# KiCad board LTC6811_ESP32_V2.kicad_pcb
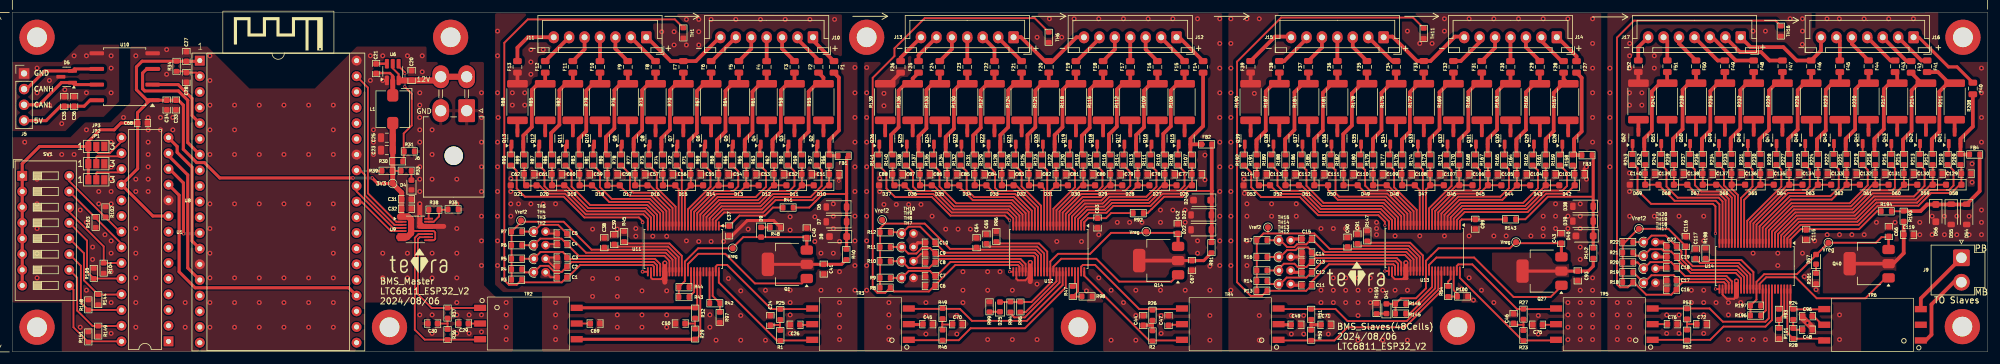
[diagram p0: board, top side]
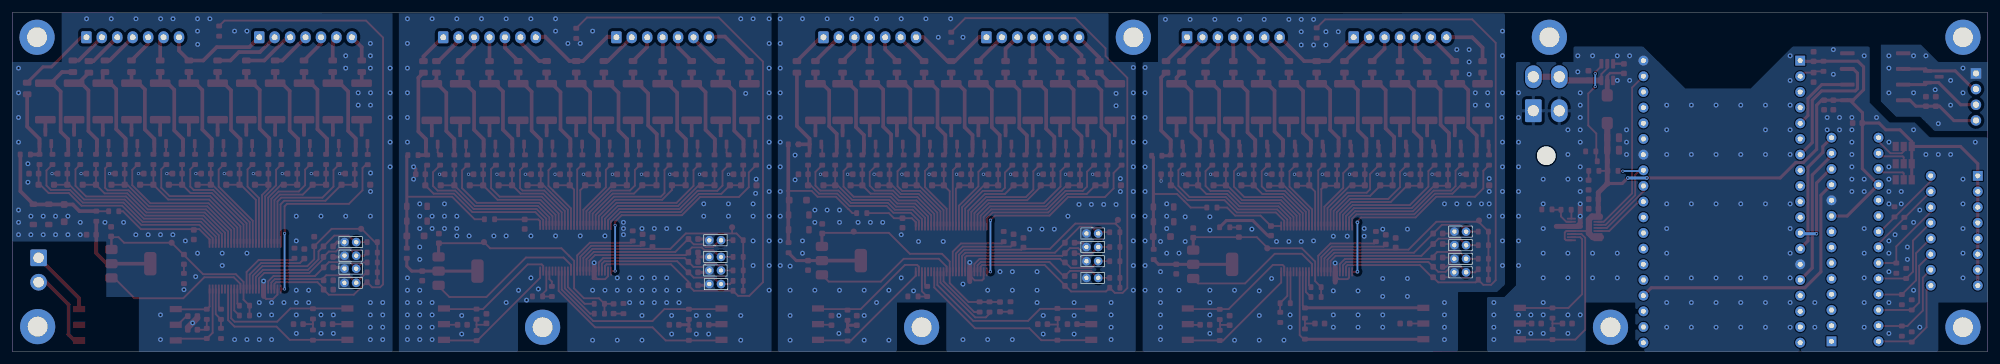
[diagram p1: board, bottom side, seen from below]

Outline 320 x 55 mm; copper layers: Top, Bottom. Coordinates in mm from the lower left corner of the outline.
Outline path: rectangle 0,55 320,0
Stack: Top 0.035mm / dielectric 1.51mm FR4 er 4.5 / Bottom 0.035mm

## Placement (name value [footprint] x y rotation side)
C1  100nF/100V  [C_0603_1608Metric]  89.05 12.06 180 top
C2  100nF 100V  [C_0603_1608Metric]  89.05 13.76 180 top
C3  100nF 100V  [C_0603_1608Metric]  89.05 15.26 180 top
C4  100nF 100V  [C_0603_1608Metric]  89.05 17.45 180 top
C5  100nF 100V  [C_0603_1608Metric]  89.05 19.15 180 top
C6  100nF/100V  [C_0603_1608Metric]  148.7 10.66 180 top
C7  100nF 100V  [C_0603_1608Metric]  148.7 12.26 180 top
C8  100nF 100V  [C_0603_1608Metric]  148.7 14.46 180 top
C9  100nF 100V  [C_0603_1608Metric]  148.71 15.96 180 top
C10  100nF 100V  [C_0603_1608Metric]  148.7 17.66 180 top
C11  100nF/100V  [C_0603_1608Metric]  209.7 10.76 180 top
C12  100nF 100V  [C_0603_1608Metric]  209.7 12.86 180 top
C13  100nF 100V  [C_0603_1608Metric]  209.7 14.56 180 top
C14  100nF 100V  [C_0603_1608Metric]  209.7 16.07 180 top
C15  100nF 100V  [C_0603_1608Metric]  209.7 18.26 180 top
C16  100nF/100V  [C_0603_1608Metric]  268.8 10.06 180 top
C17  100nF 100V  [C_0603_1608Metric]  268.8 11.56 180 top
C18  100nF 100V  [C_0603_1608Metric]  268.8 13.66 180 top
C19  100nF 100V  [C_0603_1608Metric]  268.82 15.36 180 top
C20  2.2uF/25V  [C_0603_1608Metric]  64.67 44.76 90 top
C21  100nF/100V  [C_0603_1608Metric]  58.92 45.87 90 top
C22  100nF 100V  [C_0603_1608Metric]  268.82 17.06 180 top
C23  10uF/16V  [C_0805_2012Metric]  60.67 32.66 180 top
C24  10nF/100V  [C_0603_1608Metric]  122.8 5.06 90 top
C25  10uF/16V  [C_0805_2012Metric]  60.67 34.68 180 top
C26  10nF/100V  [C_0603_1608Metric]  126.8 4.36 180 top
C27  100nF/100V  [C_0603_1608Metric]  28.2 47.83 270 top
C28  100nF/100V  [C_0603_1608Metric]  28.2 44.46 90 top
C29  10nF/100V  [C_0603_1608Metric]  73.1 4.56 180 top
C30  10nF/100V  [C_0603_1608Metric]  68.1 4.56 0 top
C31  1uF/25V  [C_0603_1608Metric]  63.85 24.71 180 top
C32  100nF/100V  [C_0603_1608Metric]  63.85 23.16 0 top
C33  1uF/25V  [C_0603_1608Metric]  26.5 39.98 270 top
C34  100nF/100V  [C_0603_1608Metric]  25 39.98 270 top
C35  1uF/25V  [C_0603_1608Metric]  8.4 40.56 90 top
C36  100nF/100V  [C_0603_1608Metric]  10 40.56 270 top
C37  100nF/100V  [C_0603_1608Metric]  116.1 19.58 270 top
C38  1uF/25V  [C_0603_1608Metric]  95.9 17.66 90 top
C39  1uF/25V  [C_0603_1608Metric]  97.5 18.16 90 top
C40  4.7uF/16V  [C_0603_1608Metric]  128.7 19.26 90 top
C41  100nF/100V  [C_0603_1608Metric]  131.45 13.38 270 top
C42  4.7uF/16V  [C_0603_1608Metric]  188.8 19.93 90 top
C43  4.7uF/16V  [C_0603_1608Metric]  250.9 18.36 90 top
C44  10nF/100V  [C_0603_1608Metric]  183.2 5.06 90 top
C45  10nF/100V  [C_0603_1608Metric]  148.3 4.46 0 top
C46  10nF/100V  [C_0603_1608Metric]  243.2 5.36 90 top
C47  10nF/100V  [C_0603_1608Metric]  187.3 5.06 90 top
C48  10nF/100V  [C_0603_1608Metric]  290.8 3.56 0 top
C49  10nF/100V  [C_0603_1608Metric]  207.95 4.36 0 top
C50  10nF/100V  [C_0603_1608Metric]  108.2 4.56 180 top
C51  100nF/100V  [C_0603_1608Metric]  133.12 28.76 0 top
C52  100nF/100V  [C_0603_1608Metric]  128.68 28.76 0 top
C53  100nF/100V  [C_0603_1608Metric]  124.18 28.76 0 top
C54  100nF/100V  [C_0603_1608Metric]  119.68 28.76 0 top
C55  100nF/100V  [C_0603_1608Metric]  115.18 28.76 0 top
C56  100nF/100V  [C_0603_1608Metric]  110.68 28.76 0 top
C57  100nF/100V  [C_0603_1608Metric]  106.18 28.76 0 top
C58  100nF/100V  [C_0603_1608Metric]  101.68 28.76 0 top
C59  100nF/100V  [C_0603_1608Metric]  97.18 28.76 0 top
C60  100nF/100V  [C_0603_1608Metric]  92.68 28.76 0 top
C61  100nF/100V  [C_0603_1608Metric]  88.2 28.76 0 top
C62  100nF/100V  [C_0603_1608Metric]  83.7 28.76 0 top
C63  100nF/100V  [C_0603_1608Metric]  175.8 20.86 270 top
C64  1uF/25V  [C_0603_1608Metric]  156.2 17.66 90 top
C65  1uF/25V  [C_0603_1608Metric]  157.8 18.26 90 top
C66  4.7uF/16V  [C_0603_1608Metric]  304 19.46 90 top
C67  100nF/100V  [C_0603_1608Metric]  191.1 13.98 270 top
C68  100nF/100V  [C_0603_1608Metric]  21.1 37.06 180 top
C69  10nF/100V  [C_0603_1608Metric]  94.4 4.56 180 top
C70  10nF/100V  [C_0603_1608Metric]  153.1 4.46 0 top
C71  10nF/100V  [C_0603_1608Metric]  212.8 4.36 0 top
C72  10nF/100V  [C_0603_1608Metric]  273.68 4.46 0 top
C75  10nF/100V  [C_0603_1608Metric]  247.1 4.36 180 top
C76  10nF/100V  [C_0603_1608Metric]  268.9 4.46 0 top
C77  100nF/100V  [C_0603_1608Metric]  191.88 28.76 0 top
C78  100nF/100V  [C_0603_1608Metric]  187.47 28.76 0 top
C79  100nF/100V  [C_0603_1608Metric]  183.07 28.76 0 top
C80  100nF/100V  [C_0603_1608Metric]  178.68 28.76 0 top
C81  100nF/100V  [C_0603_1608Metric]  174.28 28.76 0 top
C82  100nF/100V  [C_0603_1608Metric]  169.88 28.76 0 top
C83  100nF/100V  [C_0603_1608Metric]  165.47 28.76 0 top
C84  100nF/100V  [C_0603_1608Metric]  161.07 28.76 0 top
C85  100nF/100V  [C_0603_1608Metric]  156.68 28.76 0 top
C86  100nF/100V  [C_0603_1608Metric]  152.22 28.76 0 top
C87  100nF/100V  [C_0603_1608Metric]  147.82 28.76 0 top
C88  100nF/100V  [C_0603_1608Metric]  143.38 28.76 0 top
C89  100nF/100V  [C_0603_1608Metric]  237 20.66 270 top
C90  1uF/25V  [C_0603_1608Metric]  216.3 17.76 90 top
C91  1uF/25V  [C_0603_1608Metric]  217.9 18.26 90 top
C93  100nF/100V  [C_0603_1608Metric]  253.6 12.28 270 top
C96  10nF/100V  [C_0603_1608Metric]  290.8 5.76 180 top
C103  100nF/100V  [C_0603_1608Metric]  253.88 28.76 0 top
C104  100nF/100V  [C_0603_1608Metric]  249.18 28.76 0 top
C105  100nF/100V  [C_0603_1608Metric]  244.5 28.76 0 top
C106  100nF/100V  [C_0603_1608Metric]  239.82 28.76 0 top
C107  100nF/100V  [C_0603_1608Metric]  235.18 28.76 0 top
C108  100nF/100V  [C_0603_1608Metric]  230.48 28.76 0 top
C109  100nF/100V  [C_0603_1608Metric]  225.85 28.76 0 top
C110  100nF/100V  [C_0603_1608Metric]  221.23 28.76 0 top
C111  100nF/100V  [C_0603_1608Metric]  216.43 28.76 0 top
C112  100nF/100V  [C_0603_1608Metric]  211.7 28.76 0 top
C113  100nF/100V  [C_0603_1608Metric]  207.03 28.76 0 top
C114  100nF/100V  [C_0603_1608Metric]  202.38 28.76 0 top
C115  100nF/100V  [C_0603_1608Metric]  290.6 18.96 270 top
C116  1uF/25V  [C_0603_1608Metric]  271.1 17.86 90 top
C117  1uF/25V  [C_0603_1608Metric]  272.7 15.86 90 top
C119  100nF/100V  [C_0603_1608Metric]  307.2 18.96 0 top
C129  100nF/100V  [C_0603_1608Metric]  316.52 28.86 0 top
C130  100nF/100V  [C_0603_1608Metric]  311.88 28.86 0 top
C131  100nF/100V  [C_0603_1608Metric]  307.23 28.86 0 top
C132  100nF/100V  [C_0603_1608Metric]  302.57 28.86 0 top
C133  100nF/100V  [C_0603_1608Metric]  297.93 28.86 0 top
C134  100nF/100V  [C_0603_1608Metric]  293.27 28.86 0 top
C135  100nF/100V  [C_0603_1608Metric]  288.62 28.86 0 top
C136  100nF/100V  [C_0603_1608Metric]  283.98 28.86 0 top
C137  100nF/100V  [C_0603_1608Metric]  279.3 28.86 0 top
C138  100nF/100V  [C_0603_1608Metric]  274.62 28.86 0 top
C139  100nF/100V  [C_0603_1608Metric]  269.95 28.86 0 top
C140  100nF/100V  [C_0603_1608Metric]  265.3 28.86 0 top
D4  LED Red  [LED_0603_1608Metric]  64.65 27.01 90 top
D5  ESD24VS2U  [SOT-23]  8.8 44.56 180 top
D6  1N4148W  [D_SOD-123]  133.5 23.46 180 top
D7  1N4148W  [D_SOD-123]  133.5 21.06 180 top
D8  BZT52H-C62  [D_SOD-123F]  133.78 18.66 180 top
D9  LED Red  [LED_0603_1608Metric]  121.3 19.36 270 top
D10  PDZ7.5B  [D_SOD-323_HandSoldering]  131.07 26.96 180 top
D11  PDZ7.5B  [D_SOD-323_HandSoldering]  126.65 26.96 180 top
D12  PDZ7.5B  [D_SOD-323_HandSoldering]  122.15 26.96 180 top
D13  PDZ7.5B  [D_SOD-323_HandSoldering]  117.65 26.96 180 top
D14  PDZ7.5B  [D_SOD-323_HandSoldering]  113.15 26.96 180 top
D15  PDZ7.5B  [D_SOD-323_HandSoldering]  108.65 26.96 180 top
D16  PDZ7.5B  [D_SOD-323_HandSoldering]  104.15 26.96 180 top
D17  PDZ7.5B  [D_SOD-323_HandSoldering]  99.65 26.96 180 top
D18  PDZ7.5B  [D_SOD-323_HandSoldering]  95.15 26.96 180 top
D19  PDZ7.5B  [D_SOD-323_HandSoldering]  90.65 26.96 180 top
D20  PDZ7.5B  [D_SOD-323_HandSoldering]  86.17 26.96 180 top
D21  PDZ7.5B  [D_SOD-323_HandSoldering]  82 26.96 180 top
D22  1N4148W  [D_SOD-123]  192.6 19.76 180 top
D23  1N4148W  [D_SOD-123]  192.6 22.16 180 top
D24  BZT52H-C62  [D_SOD-123F]  192.75 24.56 180 top
D25  LED Red  [LED_0603_1608Metric]  160 7.26 90 top
D26  PDZ7.5B  [D_SOD-323_HandSoldering]  189.85 26.96 180 top
D27  PDZ7.5B  [D_SOD-323_HandSoldering]  185.45 26.96 180 top
D28  PDZ7.5B  [D_SOD-323_HandSoldering]  181.05 26.96 180 top
D29  PDZ7.5B  [D_SOD-323_HandSoldering]  176.65 26.96 180 top
D30  PDZ7.5B  [D_SOD-323_HandSoldering]  172.25 26.96 180 top
D31  PDZ7.5B  [D_SOD-323_HandSoldering]  167.85 26.96 180 top
D32  PDZ7.5B  [D_SOD-323_HandSoldering]  163.45 26.96 180 top
D33  PDZ7.5B  [D_SOD-323_HandSoldering]  159.05 26.96 180 top
D34  PDZ7.5B  [D_SOD-323_HandSoldering]  154.65 26.96 180 top
D35  PDZ7.5B  [D_SOD-323_HandSoldering]  150.2 26.96 180 top
D36  PDZ7.5B  [D_SOD-323_HandSoldering]  145.8 26.96 180 top
D37  PDZ7.5B  [D_SOD-323_HandSoldering]  141.65 26.96 180 top
D38  1N4148W  [D_SOD-123]  254.45 23.56 180 top
D39  1N4148W  [D_SOD-123]  254.45 21.16 180 top
D40  BZT52H-C62  [D_SOD-123F]  254.7 18.76 180 top
D41  LED Red  [LED_0603_1608Metric]  222.6 6.96 90 top
D42  PDZ7.5B  [D_SOD-323_HandSoldering]  251.85 26.96 180 top
D43  PDZ7.5B  [D_SOD-323_HandSoldering]  247.15 26.96 180 top
D44  PDZ7.5B  [D_SOD-323_HandSoldering]  242.48 26.96 180 top
D45  PDZ7.5B  [D_SOD-323_HandSoldering]  237.8 26.97 180 top
D46  PDZ7.5B  [D_SOD-323_HandSoldering]  233.15 26.97 180 top
D47  PDZ7.5B  [D_SOD-323_HandSoldering]  228.45 26.97 180 top
D48  PDZ7.5B  [D_SOD-323_HandSoldering]  223.9 26.97 180 top
D49  PDZ7.5B  [D_SOD-323_HandSoldering]  219.2 26.97 180 top
D50  PDZ7.5B  [D_SOD-323_HandSoldering]  214.4 26.97 180 top
D51  PDZ7.5B  [D_SOD-323_HandSoldering]  209.68 26.97 180 top
D52  PDZ7.5B  [D_SOD-323_HandSoldering]  205 26.97 180 top
D53  PDZ7.5B  [D_SOD-323_HandSoldering]  200.7 26.96 180 top
D54  1N4148W  [D_SOD-123]  316.6 22.26 270 top
D55  1N4148W  [D_SOD-123]  314.1 22.26 270 top
D56  BZT52H-C62  [D_SOD-123F]  311.6 22.46 270 top
D57  LED Red  [LED_0603_1608Metric]  292.2 14.96 90 top
D58  PDZ7.5B  [D_SOD-323_HandSoldering]  314.5 27.06 180 top
D59  PDZ7.5B  [D_SOD-323_HandSoldering]  309.85 27.06 180 top
D60  PDZ7.5B  [D_SOD-323_HandSoldering]  305.2 27.06 180 top
D61  PDZ7.5B  [D_SOD-323_HandSoldering]  300.55 27.06 180 top
D62  PDZ7.5B  [D_SOD-323_HandSoldering]  295.9 27.06 180 top
D63  PDZ7.5B  [D_SOD-323_HandSoldering]  291.25 27.06 180 top
D64  PDZ7.5B  [D_SOD-323_HandSoldering]  286.6 27.06 180 top
D65  PDZ7.5B  [D_SOD-323_HandSoldering]  281.95 27.06 180 top
D66  PDZ7.5B  [D_SOD-323_HandSoldering]  277.27 27.06 180 top
D67  PDZ7.5B  [D_SOD-323_HandSoldering]  272.6 27.06 180 top
D68  PDZ7.5B  [D_SOD-323_HandSoldering]  267.93 27.06 180 top
D69  PDZ7.5B  [D_SOD-323_HandSoldering]  263.27 27.06 180 top
F1  MPZ2012S102ATD25  [Fuse_0805_2012Metric]  133.1 46.16 270 top
F2  MPZ2012S102ATD25  [Fuse_0805_2012Metric]  130.6 46.16 270 top
F3  MPZ2012S102ATD25  [Fuse_0805_2012Metric]  126.7 46.16 270 top
F4  MPZ2012S102ATD25  [Fuse_0805_2012Metric]  122.2 46.16 270 top
F5  MPZ2012S102ATD25  [Fuse_0805_2012Metric]  117.7 46.16 270 top
F6  MPZ2012S102ATD25  [Fuse_0805_2012Metric]  113.2 46.16 270 top
F7  MPZ2012S102ATD25  [Fuse_0805_2012Metric]  108.7 46.16 270 top
F8  MPZ2012S102ATD25  [Fuse_0805_2012Metric]  104.2 46.16 270 top
F9  MPZ2012S102ATD25  [Fuse_0805_2012Metric]  99.7 46.16 270 top
F10  MPZ2012S102ATD25  [Fuse_0805_2012Metric]  95.2 46.16 270 top
F11  MPZ2012S102ATD25  [Fuse_0805_2012Metric]  90.8 46.16 270 top
F12  MPZ2012S102ATD25  [Fuse_0805_2012Metric]  86.33 46.16 270 top
F13  MPZ2012S102ATD25  [Fuse_0805_2012Metric]  81.83 46.16 270 top
F14  MPZ2012S102ATD25  [Fuse_0805_2012Metric]  192.9 46.16 270 top
F15  MPZ2012S102ATD25  [Fuse_0805_2012Metric]  189.9 46.16 270 top
F16  MPZ2012S102ATD25  [Fuse_0805_2012Metric]  185.5 46.16 270 top
F17  MPZ2012S102ATD25  [Fuse_0805_2012Metric]  181.1 46.16 270 top
F18  MPZ2012S102ATD25  [Fuse_0805_2012Metric]  176.7 46.16 270 top
F19  MPZ2012S102ATD25  [Fuse_0805_2012Metric]  172.3 46.16 270 top
F20  MPZ2012S102ATD25  [Fuse_0805_2012Metric]  167.9 46.16 270 top
F21  MPZ2012S102ATD25  [Fuse_0805_2012Metric]  163.5 46.16 270 top
F22  MPZ2012S102ATD25  [Fuse_0805_2012Metric]  159.1 46.16 270 top
F23  MPZ2012S102ATD25  [Fuse_0805_2012Metric]  154.7 46.16 270 top
F24  MPZ2012S102ATD25  [Fuse_0805_2012Metric]  150.25 46.16 270 top
F25  MPZ2012S102ATD25  [Fuse_0805_2012Metric]  146.8 46.16 270 top
F26  MPZ2012S102ATD25  [Fuse_0805_2012Metric]  143.9 46.16 270 top
F27  MPZ2012S102ATD25  [Fuse_0805_2012Metric]  253.4 46.16 270 top
F28  MPZ2012S102ATD25  [Fuse_0805_2012Metric]  251.3 46.16 270 top
F29  MPZ2012S102ATD25  [Fuse_0805_2012Metric]  247.45 46.17 270 top
F30  MPZ2012S102ATD25  [Fuse_0805_2012Metric]  242.7 46.16 270 top
F31  MPZ2012S102ATD25  [Fuse_0805_2012Metric]  238.05 46.17 270 top
F32  MPZ2012S102ATD25  [Fuse_0805_2012Metric]  233.45 46.17 270 top
F33  MPZ2012S102ATD25  [Fuse_0805_2012Metric]  228.65 46.17 270 top
F34  MPZ2012S102ATD25  [Fuse_0805_2012Metric]  224.18 46.17 270 top
F35  MPZ2012S102ATD25  [Fuse_0805_2012Metric]  219.45 46.17 270 top
F36  MPZ2012S102ATD25  [Fuse_0805_2012Metric]  214.65 46.17 270 top
F37  MPZ2012S102ATD25  [Fuse_0805_2012Metric]  209.95 46.17 270 top
F38  MPZ2012S102ATD25  [Fuse_0805_2012Metric]  205.25 46.17 270 top
F39  MPZ2012S102ATD25  [Fuse_0805_2012Metric]  200.6 46.17 270 top
F40  MPZ2012S102ATD25  [Fuse_0805_2012Metric]  317.6 42.66 270 top
F41  MPZ2012S102ATD25  [Fuse_0805_2012Metric]  310.2 46.26 270 top
F42  MPZ2012S102ATD25  [Fuse_0805_2012Metric]  307.6 46.16 270 top
F43  MPZ2012S102ATD25  [Fuse_0805_2012Metric]  305 46.26 270 top
F44  MPZ2012S102ATD25  [Fuse_0805_2012Metric]  300.7 46.26 270 top
F45  MPZ2012S102ATD25  [Fuse_0805_2012Metric]  296.05 46.26 270 top
F46  MPZ2012S102ATD25  [Fuse_0805_2012Metric]  291.4 46.26 270 top
F47  MPZ2012S102ATD25  [Fuse_0805_2012Metric]  286.75 46.26 270 top
F48  MPZ2012S102ATD25  [Fuse_0805_2012Metric]  282.1 46.26 270 top
F49  MPZ2012S102ATD25  [Fuse_0805_2012Metric]  277.43 46.26 270 top
F50  MPZ2012S102ATD25  [Fuse_0805_2012Metric]  272.75 46.26 270 top
F51  MPZ2012S102ATD25  [Fuse_0805_2012Metric]  268.1 46.26 270 top
F52  MPZ2012S102ATD25  [Fuse_0805_2012Metric]  263.4 46.26 270 top
FB1  BLM18PG330SN1D  [R_0603_1608Metric]  134.6 31.76 180 top
FB2  BLM18PG330SN1D  [R_0603_1608Metric]  193.47 33.61 180 top
FB3  BLM18PG330SN1D  [R_0603_1608Metric]  255.1 31.86 180 top
FB4  BLM18PG330SN1D  [R_0603_1608Metric]  317.9 31.96 180 top
J1  Hole /NC  [MountingHole_3.2mm_M3_ISO7380_Pad]  316 50.96 0 top
J2  Hole /NC  [MountingHole_3.2mm_M3_ISO7380_Pad]  234.1 3.96 0 top
J3  Hole /NC  [MountingHole_3.2mm_M3_ISO7380_Pad]  4 50.96 0 top
J4  Hole /NC  [MountingHole_3.2mm_M3_ISO7380_Pad]  172.7 3.96 0 top
J5  CAN /NC  [PinHeader_1x04_P2.54mm_Vertical]  1.9 45.1 0 top
J6  Molex 5569  [Molex_Mini-Fit_Jr_5569-04A2_2x02_P4.20mm_Horizontal]  73.6 39.06 180 top
J7  Hole /NC  [MountingHole_3.2mm_M3_ISO7380_Pad]  4 3.96 0 top
J8  Hole /NC  [MountingHole_3.2mm_M3_ISO7380_Pad]  61.1 3.96 0 top
J9  B2P-VH-B  [JST_VH_B2P-VH-B_1x02_P3.96mm_Vertical]  315.75 15.22 270 top
J10  B7B-XH-A  [JST_XH_B7B-XH-A_1x07_P2.50mm_Vertical_BAT_6S]  129.7 50.96 180 top
J11  B7B-XH-A  [JST_XH_B7B-XH-A_1x07_P2.50mm_Vertical_BAT_6S]  102.7 50.96 180 top
J12  B7B-XH-A  [JST_XH_B7B-XH-A_1x07_P2.50mm_Vertical_BAT_6S]  188.6 50.96 180 top
J13  B7B-XH-A  [JST_XH_B7B-XH-A_1x07_P2.50mm_Vertical_BAT_6S]  162.2 50.96 180 top
J14  B7B-XH-A  [JST_XH_B7B-XH-A_1x07_P2.50mm_Vertical_BAT_6S]  250.2 50.96 180 top
J15  B7B-XH-A  [JST_XH_B7B-XH-A_1x07_P2.50mm_Vertical_BAT_6S]  222.15 50.96 180 top
J16  B7B-XH-A  [JST_XH_B7B-XH-A_1x07_P2.50mm_Vertical_BAT_6S]  308 50.96 180 top
J17  B7B-XH-A  [JST_XH_B7B-XH-A_1x07_P2.50mm_Vertical_BAT_6S]  280 50.96 180 top
J18  Hole /NC  [MountingHole_3.2mm_M3_ISO7380_Pad]  71 50.96 0 top
J19  Hole /NC  [MountingHole_3.2mm_M3_ISO7380_Pad]  138.4 50.96 0 top
J20  Hole /NC  [MountingHole_3.2mm_M3_ISO7380_Pad]  315.9 4.06 0 top
JP1  SolderJumper_3_Bridged12  [SolderJumper-3_P1.3mm_Open_Pad1.0x1.5mm_NumberLabels]  13.6 27.86 0 top
JP2  SolderJumper_3_Bridged12  [SolderJumper-3_P1.3mm_Open_Pad1.0x1.5mm_NumberLabels]  13.6 30.46 0 top
JP3  SolderJumper_3_Bridged12  [SolderJumper-3_P1.3mm_Open_Pad1.0x1.5mm_NumberLabels]  13.6 33.26 0 top
L1  3.3uH  [L_Bourns_SRP5030T]  61.62 39.3 270 top
LOGO1  teTra /NC  [teTra-LOGO]  217.8 12.56 0 top
LOGO2  teTra /NC  [teTra-LOGO]  65.95 14.71 0 top
Q1  NSV1C201MZ4  [SOT-223]  125.55 14.16 180 top
Q2  TSM2323  [SOT-23]  131.4 34.56 90 top
Q3  TSM2323  [SOT-23]  126.7 34.56 90 top
Q4  TSM2323  [SOT-23]  122.2 34.56 90 top
Q5  TSM2323  [SOT-23]  117.7 34.56 90 top
Q6  TSM2323  [SOT-23]  113.2 34.56 90 top
Q7  TSM2323  [SOT-23]  108.7 34.56 90 top
Q8  TSM2323  [SOT-23]  104.2 34.56 90 top
Q9  TSM2323  [SOT-23]  99.7 34.56 90 top
Q10  TSM2323  [SOT-23]  95.2 34.56 90 top
Q11  TSM2323  [SOT-23]  90.8 34.56 90 top
Q12  TSM2323  [SOT-23]  86.33 34.56 90 top
Q13  TSM2323  [SOT-23]  81.83 34.56 90 top
Q14  NSV1C201MZ4  [SOT-223]  185.7 14.76 180 top
Q15  TSM2323  [SOT-23]  189.9 34.56 90 top
Q16  TSM2323  [SOT-23]  185.5 34.56 90 top
Q17  TSM2323  [SOT-23]  181.1 34.56 90 top
Q18  TSM2323  [SOT-23]  176.7 34.56 90 top
Q19  TSM2323  [SOT-23]  172.3 34.56 90 top
Q20  TSM2323  [SOT-23]  167.9 34.56 90 top
Q21  TSM2323  [SOT-23]  163.5 34.56 90 top
Q22  TSM2323  [SOT-23]  159.1 34.56 90 top
Q23  TSM2323  [SOT-23]  154.7 34.56 90 top
Q24  TSM2323  [SOT-23]  150.25 34.56 90 top
Q25  TSM2323  [SOT-23]  145.85 34.56 90 top
Q26  TSM2323  [SOT-23]  141.4 34.56 90 top
Q27  NSV1C201MZ4  [SOT-223]  247.8 13.06 180 top
Q28  TSM2323  [SOT-23]  252.05 34.56 90 top
Q29  TSM2323  [SOT-23]  247.45 34.57 90 top
Q30  TSM2323  [SOT-23]  242.7 34.56 90 top
Q31  TSM2323  [SOT-23]  238.05 34.57 90 top
Q32  TSM2323  [SOT-23]  233.45 34.57 90 top
Q33  TSM2323  [SOT-23]  228.65 34.57 90 top
Q34  TSM2323  [SOT-23]  224.18 34.57 90 top
Q35  TSM2323  [SOT-23]  219.45 34.57 90 top
Q36  TSM2323  [SOT-23]  214.65 34.57 90 top
Q37  TSM2323  [SOT-23]  209.95 34.57 90 top
Q38  TSM2323  [SOT-23]  205.25 34.57 90 top
Q39  TSM2323  [SOT-23]  200.6 34.56 90 top
Q40  NSV1C201MZ4  [SOT-223]  300.8 14.26 180 top
Q41  TSM2323  [SOT-23]  314.65 34.66 90 top
Q42  TSM2323  [SOT-23]  310 34.66 90 top
Q43  TSM2323  [SOT-23]  305.35 34.66 90 top
Q44  TSM2323  [SOT-23]  300.7 34.66 90 top
Q45  TSM2323  [SOT-23]  296.05 34.66 90 top
Q46  TSM2323  [SOT-23]  291.4 34.66 90 top
Q47  TSM2323  [SOT-23]  286.75 34.66 90 top
Q48  TSM2323  [SOT-23]  282.1 34.66 90 top
Q49  TSM2323  [SOT-23]  277.43 34.66 90 top
Q50  TSM2323  [SOT-23]  272.75 34.66 90 top
Q51  TSM2323  [SOT-23]  268.07 34.66 90 top
Q52  TSM2323  [SOT-23]  263.43 34.66 90 top
R1  49.9R  [R_0603_1608Metric]  124.4 2.63 270 top
R2  49.9R  [R_0603_1608Metric]  184.7 2.56 270 top
R3  10K  [R_0603_1608Metric]  81.7 11.66 0 top
R4  10K  [R_0603_1608Metric]  81.7 13.36 180 top
R5  10K  [R_0603_1608Metric]  81.7 15.06 180 top
R6  10K  [R_0603_1608Metric]  81.7 17.26 180 top
R7  10K  [R_0603_1608Metric]  81.7 19.46 180 top
R8  10K  [R_0603_1608Metric]  141.4 10.36 0 top
R9  10K  [R_0603_1608Metric]  141.4 11.96 180 top
R10  10K  [R_0603_1608Metric]  141.4 14.66 180 top
R11  10K  [R_0603_1608Metric]  141.4 16.96 180 top
R12  10K  [R_0603_1608Metric]  141.41 19.36 180 top
R13  10K  [R_0603_1608Metric]  202.43 9.87 0 top
R14  10K  [R_0603_1608Metric]  202.43 11.47 180 top
R15  10K  [R_0603_1608Metric]  202.43 13.16 180 top
R16  10K  [R_0603_1608Metric]  202.43 15.36 180 top
R17  10K  [R_0603_1608Metric]  202.43 18.07 180 top
R18  10K  [R_0603_1608Metric]  261.7 11.26 0 top
R19  10K  [R_0603_1608Metric]  261.7 12.86 180 top
R20  10K  [R_0603_1608Metric]  261.7 14.46 180 top
R21  10K  [R_0603_1608Metric]  261.7 16.06 180 top
R22  10K  [R_0603_1608Metric]  261.7 17.76 180 top
R23  49.9R  [R_0603_1608Metric]  244.8 2.61 270 top
R24  49.9R  [R_0603_1608Metric]  288.5 6.06 90 top
R25  49.9R  [R_0603_1608Metric]  124.4 6.03 270 top
R26  49.9R  [R_0603_1608Metric]  184.7 5.91 270 top
R27  49.9R  [R_0603_1608Metric]  244.8 6.08 270 top
R28  49.9R  [R_0603_1608Metric]  288.5 2.96 90 top
R29  49.9R  [R_0603_1608Metric]  110.6 2.86 270 top
R30  100K  [R_0603_1608Metric]  62.42 30.86 180 top
R31  22.1K  [R_0603_1608Metric]  64.3 32.46 0 top
R32  49.9R  [R_0603_1608Metric]  110.6 6.26 270 top
R33  470R  [R_0603_1608Metric]  63.8 29.31 180 top
R34  10K  [R_0603_1608Metric]  26.6 46.26 270 top
R35  1K  [R_0603_1608Metric]  71.4 23.06 180 top
R36  49.9R  [R_0603_1608Metric]  70.5 2.78 270 top
R37  49.9R  [R_0603_1608Metric]  70.5 6.26 270 top
R38  1K  [R_0603_1608Metric]  68.29 23.01 180 top
R39  2K  [R_0603_1608Metric]  60.7 29.31 180 top
R40  100R  [R_0603_1608Metric]  135.1 15.76 270 top
R41  100R  [R_0603_1608Metric]  125.68 23.36 180 top
R42  1K  [R_0603_1608Metric]  113.8 7.86 0 top
R43  0  [R_0603_1608Metric]  108.8 8.86 180 top
R44  1M  [R_0603_1608Metric]  108.8 10.46 180 top
R45  0  [R_0603_1608Metric]  99.1 18.66 90 top
R46  49.9R  [R_0603_1608Metric]  150.7 2.68 270 top
R47  1K  [R_0603_1608Metric]  171.8 9.76 270 top
R48  1.2K  [R_0603_1608Metric]  123.6 20.16 0 top
R49  49.9R  [R_0603_1608Metric]  150.7 6.18 270 top
R50  49.9R  [R_0603_1608Metric]  210.4 2.66 270 top
R51  49.9R  [R_0603_1608Metric]  210.4 6.06 270 top
R52  49.9R  [R_0603_1608Metric]  271.3 2.68 270 top
R53  49.9R  [R_0603_1608Metric]  271.3 6.13 270 top
R54  1K  [R_0603_1608Metric]  232.6 9.76 270 top
R55  36R 1W 2512  [R_2512_6332Metric]  131.4 40.46 270 top
R56  100R  [R_0603_1608Metric]  132.35 31.06 90 top
R57  3.3K  [R_0603_1608Metric]  130.3 31.06 90 top
R58  36R 1W 2512  [R_2512_6332Metric]  126.7 40.46 270 top
R59  100R  [R_0603_1608Metric]  127.9 31.06 90 top
R60  3.3K  [R_0603_1608Metric]  125.6 31.06 90 top
R61  36R 1W 2512  [R_2512_6332Metric]  122.2 40.46 270 top
R62  100R  [R_0603_1608Metric]  123.4 31.06 90 top
R63  3.3K  [R_0603_1608Metric]  121.1 31.06 90 top
R64  36R 1W 2512  [R_2512_6332Metric]  117.7 40.46 270 top
R65  100R  [R_0603_1608Metric]  118.9 31.06 90 top
R66  3.3K  [R_0603_1608Metric]  116.6 31.06 90 top
R67  36R 1W 2512  [R_2512_6332Metric]  113.2 40.46 270 top
R68  100R  [R_0603_1608Metric]  114.4 31.06 90 top
R69  3.3K  [R_0603_1608Metric]  112.1 31.06 90 top
R70  36R 1W 2512  [R_2512_6332Metric]  108.7 40.46 270 top
R71  100R  [R_0603_1608Metric]  109.9 31.06 90 top
R72  3.3K  [R_0603_1608Metric]  107.6 31.06 90 top
R73  36R 1W 2512  [R_2512_6332Metric]  104.2 40.46 270 top
R74  100R  [R_0603_1608Metric]  105.4 31.06 90 top
R75  3.3K  [R_0603_1608Metric]  103.1 31.06 90 top
R76  36R 1W 2512  [R_2512_6332Metric]  99.7 40.46 270 top
R77  100R  [R_0603_1608Metric]  100.9 31.06 90 top
R78  3.3K  [R_0603_1608Metric]  98.6 31.06 90 top
R79  36R 1W 2512  [R_2512_6332Metric]  95.2 40.46 270 top
R80  100R  [R_0603_1608Metric]  96.4 31.06 90 top
R81  3.3K  [R_0603_1608Metric]  94.1 31.06 90 top
R82  36R 1W 2512  [R_2512_6332Metric]  90.8 40.46 270 top
R83  100R  [R_0603_1608Metric]  91.9 31.06 90 top
R84  3.3K  [R_0603_1608Metric]  89.6 31.06 90 top
R85  36R 1W 2512  [R_2512_6332Metric]  86.33 40.46 270 top